# Altium PCB Wireframe.PcbDoc (part 1 of 2) (continued)
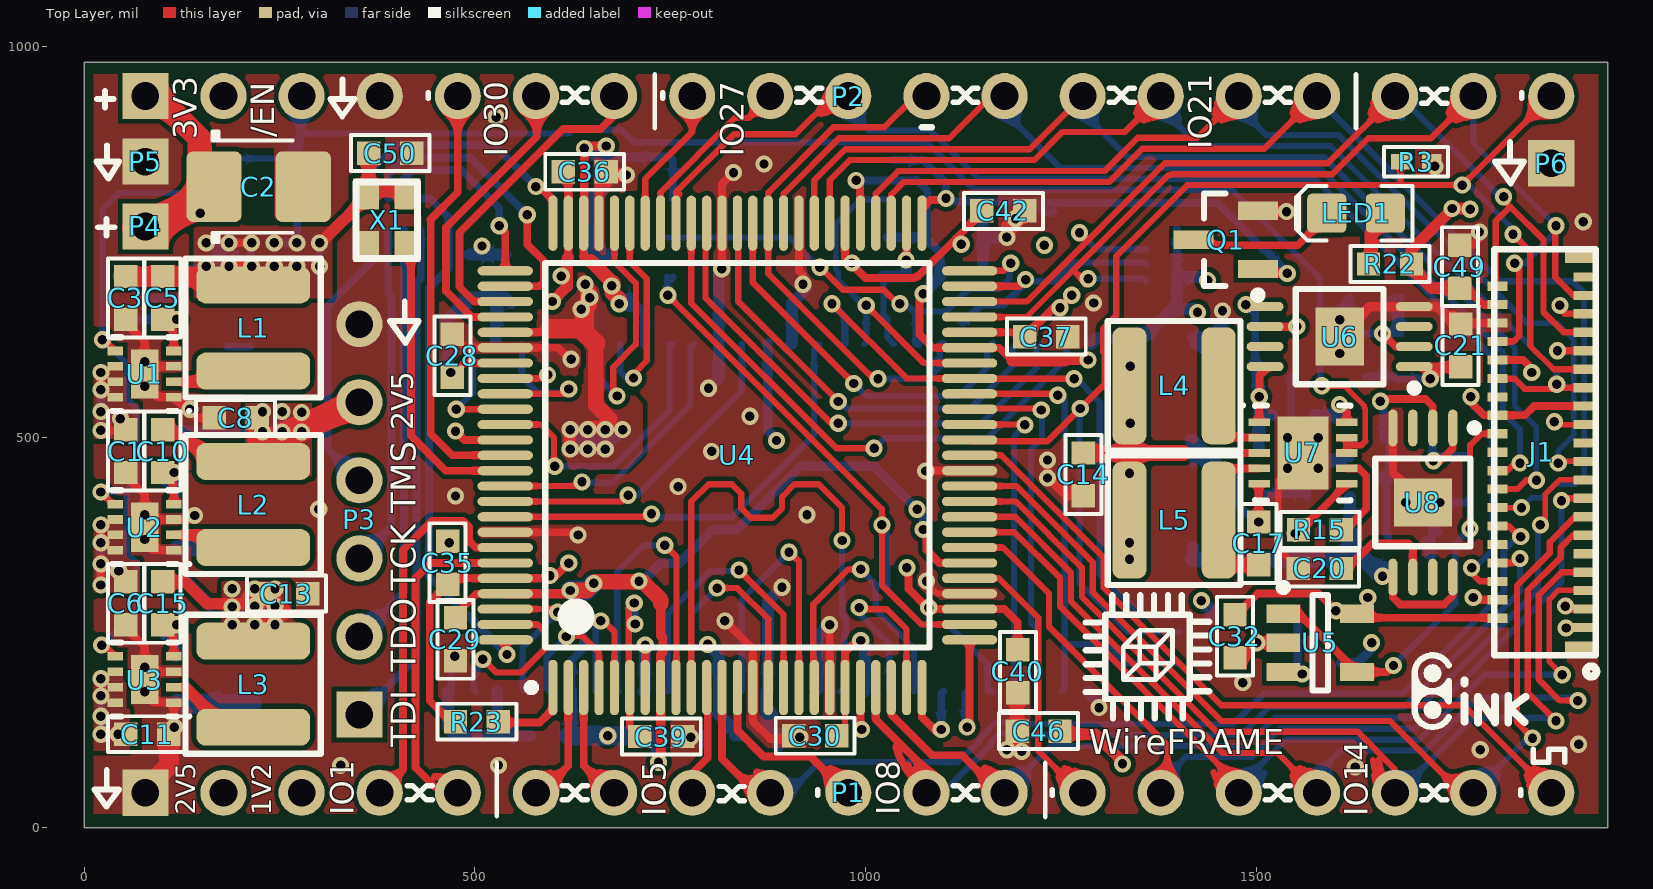
[diagram p0: Top Layer view]
## Footprints (in the part's own frame and the unit in brackets; to place one, negate y for a bottom-side part, rotate by r counter-clockwise, add the part's x,y. Pads: shape width x height; smd on the part's side, far side on the other; paste and mask are expansions set on the pad) (continued)
  silkscreen extent -7.67,-6.25 6.25,6.82, body extent -7,-7 7,7, height 1.2

## Part data
C1 C3 C5 C6 C8 C9 C10 C11 C13 C14 C15 C16 C17 C18 C19 C20 C21 C22 C23 C24 C25 C26 C27 C28 C29 C30 C31 C32 C33 C34 C35 C36 C37 C38 C39 C40 C41 C42 C43 C44 C45 C46 C47 C48 C49 C50: library part 0603C-10UF-6V3-X5R-MUR, "CAPACITOR 0603 CERAMIC"
C2 C4 C7 C12: library part CAPT_47u_1210_6V3, "Capacitor SMD Tantalum 47uF 20% 6.3V 1210"
D1: library part MBRS140, "DIODE"
L1 L2 L3 L4 L5: library part inductor_smd
LED1: library part LED_SMD_Blue_0805_100mcd, "LED 0805 SMD Blue 100mcd 470nm"
P1 P2: "Header, 19-Pin"
P3: "Header, 6-Pin"
Q1: library part BC847, "NPN General-purpose Transistor"
R1 R2 R4 R5 R7 R8 R10 R11 R12 R13 R14 R15 R16 R17 R18 R19 R20 R21 R22 R23 R24 R25: library part 0603R-2K2, "GENERIC RESISTOR 0603"
R3 R26: library part 0402R-100R, "RESISTOR 0402 GENERIC"
RA1 RA2 RA3: library part RES_ARRAY_0402_5%, "Resistor array 4-pack 5% 0402 SMD"
U1 U2 U3: library part TPS62067DSGR, "Buck Step Down Regulator with 2.9 to 6 V Input and 0.8 to 6 V Output, -40 to 85 degC, 8-Pin WSON (DSG), Green (RoHS & no Sb/Br)"
U4: "Spartan-3E 1.2V FPGA, 66 User I/Os, 100-Pin VQFP, Standard Performance, Commercial Grade"
U5: "MicroPower Single-Supply Operational Amplifier MicroAmplifier(TM) Series, 2.2 to 36 V, -40 to 85 degC, 5-pin SOT23 (DBV5), Green (RoHS & no Sb/Br)"
U6: "Single Output High PSRR LDO, 150 mA, Adjustable 1.2 to 33 V Output, 3 to 36 V Input, with Ultra-Low Noise, 8-pin MSOP (DGN), -40 to 125 degC, Green (RoHS & no Sb/Br)"
U7: "Dual Micropower DC/DC Converters with Schottky Diodes, 2.4 to 15 V Vin, 10-pin SON (DD-10), -40 to 85 degC"
U8: "Single Output High PSRR LDO, 200 mA, Adjustable -1.18 to -33 V Output, -3 to -36 V Input, with Ultra-Low Noise, 8-pin MSOP (DGN), -40 to 125 degC, Green (RoHS & no Sb/Br)"
U9: "16 Mbit SPI Serial Flash, 2.7 to 3.6 V, 50 MHz, 0 to 70 degC, 8-pin SOIC (S2A8), Tube"
U11: "512Mb Synchronous High Data Rate DRAM, 8Mb x 16Bit x 4 Banks, 54-Pin TSOP"
X1: library part Oscillator_2520, "Active Oscillator_2520"

## Via types
v1: diameter 22, hole 12, Top Layer to Bottom Layer, tented both sides, 246 vias
v2: diameter 22, hole 12, Top Layer to Bottom Layer, 14 vias

## Nets (pads, with @x,y where several pads share a name; then routed paths per layer and width w, separated by ;. In a path a pad name is that pad's centre, name@x,y a point inside that pad or via, vN(x,y) a via of type N, cw(c..) or ccw(c..) an arc to the next point about the centre after c; other vN are vias at no path point)
1.2V: C12.1 C13.2 C15.2 C39.2 C40.2 C41.2 C42.2 L3.2 P1.3 R7.2 U4.6 U4.28 U4.56 U4.80 | length 3185.4
  Top Layer w8: U4.6@697,180.96 v1@697,281
  Top Layer w10: U4.80@538.76,634.48 594,634.48 ; U4.6@697,180.96 U4.6@698.2,179.76 698.2,129.8 C39.2@711,117 ; v1@697,281 v1(704,288) ; U4.56@973.8,774.24 973.8,730.2 v1@982,722 ; v1(982.58,723.23) 982.58,722.58 v1@982,722 ; v1@1054,332 1055,331 1055,306 v1@1080,281 ; v1@1079.5,280.5 1079.85,280.15 U4.28@1133.24,280.15 1177.85,280.15 1195,263 C40.2@1195,228 ; v1(1122.5,747.29) 1122.5,747.5 v1@1115.5,754.5 ; C42.2@1137.79,775.63 ccw(c1124.34,783.39) C42.2@1139.34,787.41 ; C42.2@1149,790 1149,788 v1@1115.5,754.5 ; v1@982,722 1000,704 1062.89,704 1064.89,706 1067,706 v1@1115.5,754.5
  Top Layer w15: C15.2@100,315 129,315 157,287 C13.2@218,287 ; v1@218,265 221,268 C13.2@221,299 ; C13.2@218.08,285.5 ccw(c219.03,303.15) C13.2@230.84,290 ; C13.2@231,300 244,300 v1(244,284) 244,267.12 v1@244,265 ; L3.2@245.11,261.82 ccw(c275.35,269.92) L3.2@265.56,240.18 ; v1@621,485 621,507 v1@623,509 ; v1@643,510 647,514 v1@663,514 ; L3.2@204.84,250.83 cw(c220.79,238.56) L3.2@218.19,258.51 ; L3.2@204.84,250.83 cw(c220.79,238.56) L3.2@218.19,258.51 ; L3.2@204.84,250.83 cw(c220.79,238.56) L3.2@218.19,258.51 ; 207.78,294.96 ccw(c198.37,311.26) C13.2@216.55,306.39 ; 207.78,294.96 ccw(c198.37,311.26) C13.2@216.55,306.39 ; 207.78,294.96 ccw(c198.37,311.26) C13.2@216.55,306.39
  Top Layer w20: 654.5,620.5 654.5,541.61 672.55,523.55
  Top Layer w22: L3.2@216,239.12 244,267.12 254,277.12 ; v1@640,664 645.46,669.46 v1@645.46,685.23
  Top Layer w25: 596.52,639 636,639 ; v1@640,664 640,643 636,639 ; 654.5,620.5 636,639
  power w15: v1@189,287 v1@190,287 ; v1@190,266 v1@190,286 ; v1@190,287 190,306 v1(218,306) 218,287 207,287 v1@190,287
  power w40: 207,287 275,219 275,47 P1.3@273,45
  GND w10: v1(704,288) 704,262 v1(705,261) ; v1(1053,333) 1053,308 1079,282 v1(1081,282)
  GND w15: v1@188,307 v1(189,306) ; v1@621,510 621,498 ; v1(622,510) v1(644.33,510) 654,510 v1(666.67,510) v1(689,510) 674.5,495.5 ; v1(189,283) 190,284 v1(218,284) ; v1(189,283) v1(189,306) ; v1(189,283) v1(189,260) v1(218,260) ; v1(189,306) v1(218,306) ; v1(218,260) v1(218,284) ; v1(218,260) v1(244,260) v1(244,284) ; v1(218,284) v1(244,284) ; v1(218,284) v1(218,306) ; v1(218,306) v1(244,306) v1(244,284) ; 621,498 651,498 672,498 674.5,495.5 ; 621,498 621,486 v1(622,485) v1(644.33,485) v1(666.67,485) 666.67,487.67 674.5,495.5
  GND w20: v1(641,696) 647,690 v1(647,679)
  GND w22: v1(636,664) v1@640,660 ; v1@645.46,685.23 645.46,669.46 640,664 v1@640,660 ; 651,498 654,501 654,510 654,629 640,643 v1@640,660
  Bottom Layer w10: v1(704,288) 704,262 v1(705,261)
  Bottom Layer w15: R7.2@100,315 131,315 160.5,285.5 ; 162,287 C12.1@189,287 ; C12.1@218,265 C12.1@244,265 ; C12.1@218,287 v1(218,306) ; v1@243,306 244,305 C12.1@244,287 ; v1@643,510 v1@643,509 ; C12.1@203.77,282.6 cw(c210.56,273.96) C12.1@217.11,282.79 ; C12.1@203.77,282.6 cw(c210.56,273.96) C12.1@217.11,282.79 ; C12.1@203.77,282.6 cw(c210.56,273.96) C12.1@217.11,282.79 ; C12.1@230.55,287.06 cw(c234.39,278.02) C12.1@242.73,283.21 ; C12.1@230.55,287.06 cw(c234.39,278.02) C12.1@242.73,283.21 ; C12.1@230.55,287.06 cw(c234.39,278.02) C12.1@242.73,283.21 ; 622,499 v1(622,510) 623,509 v1@643,509 ; 622,499 v1(622,485) v1(644.33,485) ; 622,499 624,497 644.33,497 ; v1@643,509 644.33,507.67 644.33,497 ; v1@643,509 v1@665.67,509 ; v1(644.33,485) 644.33,497 ; v1(644.33,485) v1(666.67,485) v1@666.67,487.67 ; 644.33,497 666.67,497 ; v1@665.67,509 666.67,508 666.67,497 ; v1@665.67,509 v1(666.67,510) v1(689,510) v1@666.67,487.67 ; v1@666.67,487.67 666.67,497
2.5V: C7.1 C8.2 C10.2 C35.2 C36.2 C37.2 C38.2 L2.2 P1.2 P3.5 R4.2 R23.2 R24.2 U4.21 U4.46 U4.74 U4.96 | length 2430.9
  Top Layer w10: C10.2@100,510 114,510 154.88,469.12 L2.2@216,469.12 ; C10.2@102.46,500.31 cw(c113.32,457.46) 137.44,494.5 ; 138.96,495.2 cw(c127.64,452.96) L2.2@168.06,469.64 ; L2.2@144.94,483.59 ccw(c149.21,499.55) L2.2@157.48,485.25 ; C8.2@221,525 v1(228,533) ; v1(228,507) v1(253,507) 266.17,507 v1(278,507) ; C35.2@459.52,319.52 U4.96@538.76,319.52 592.52,319.52 v1(596,323) 604,323 v1(620,339) ; C35.2@465,312 442,289 442,163 469,136 R23.2@475,136 ; C36.2@607,845 608,845 C36.2@613,840 ; 619.46,730.54 U4.74@619.46,774.24 C36.2@619.46,837.46 ; U4.21@993.48,179.76 993.48,132.52 v1@995,131 ; U4.46@1133.24,634.48 1189.52,634.48 C37.2@1199,625
  Top Layer w11: C37.2@1198,623 1242,667 1249,667 v1(1264,682)
  Top Layer w14: v1(599,674) 618,693
  Top Layer w15: 618,693 618,729.07 619.46,730.54
  Top Layer w25: L2.2@221,474.12 C8.2@221,525
  Top Layer w35: 234.26,492.87 235.07,493.23 255.16,502.12 266.17,507 276.06,511.38 285.32,515.48 P3.5@352,545
  power w10: v1(253,507) v1(228,507) v1(228,533) v1(253,533) ; v1(253,507) v1(253,533) ; v1(253,507) v1(278,507) 278,523.04 v1(278,532) 278,533 v1(253,533)
  power w30: P1.2@173,45 179,51 179,147.37 153,173.37 153,355 228,430 v1(228,507)
  power w35: 261,518 273.62,521.75 278,523.04 280.44,523.77 P3.5@352,545
  GND w10: v1@228,523 230,521 ; v1@277,533 v1(278,532) v1@278,528 ; v1(278,507) 278,521 ; v1(596,323) 604,323 v1(620,339) ; v1(599,674) 611,686 610.46,686.54 v1(610.46,706.5)
  GND w11: v1(1249,666) 1249,669 1263,683 v1(1264,682)
  GND w15: 230,521 271,521 v1@278,528 ; v1@277,533 v1(253,533) v1(228,533) 228,523 v1(228,507) v1(253,507) v1(278,507)
  Bottom Layer w10: R4.2@100,510 C7.1@203.09,510 ; v1(278,507) v1(278,532)
  Bottom Layer w35: v1(253,507) v1@261.7,510.34
  other v1: 995,126 1229,746
3.3V: C3.2 C4.1 C5.2 C14.2 C26.2 C27.2 C28.2 C29.2 C30.2 C31.2 C33.2 C34.2 C43.2 C44.2 C45.2 C46.2 C47.2 C48.2 C49.2 C50.2 J1.4 J1.30 J1.35 J1.36 L1.2 L4.1 L5.1 P2.2 R1.2 R22.2 R25.2 RA2.1 RA3.1 RA3.2 RA3.3 RA3.4 U4.8 U4.20 U4.31 U4.45 U4.55 U4.73 U4.82 U4.97 U7.3 U9.3 U9.7 U9.8 U11.1 U11.3 U11.9 U11.14 U11.27 U11.37 U11.43 U11.49 X1.1 X1.4 | length 7822.1
  Top Layer w8: C30.2@973.8,128.8 U4.20@973.8,179.76 ; 1894.97,658.16 J1.35@1922.07,658.16
  Top Layer w10: v1@184,721 v1@212,721 ; v1@184,749 v1(185,749) v1@212,749 ; C28.2@477.5,586.5 486.11,595.11 U4.82@538.76,595.11 ; C29.2@479.17,274 479.17,277.17 501.83,299.83 U4.97@538.76,299.83 ; v1@617.83,299.83 v1(622,304) ; U4.20@973.8,179.76 973.8,224.8 989,240 v1(994,240) ; v1(988,829) 992,829 993,828 993,774.72 U4.55@993.48,774.24 ; v1(1074,382) 1078,378 1078,356 1094.8,339.2 U4.31@1133.24,339.2 ; v1(1074,684) 1069,679 1069,632 1086.2,614.8 U4.45@1133.24,614.8 1171.2,614.8 1188,598 ; v1@1283,598 v1@1284,597 ; 1407,480 U7.3@1503.9,480 ; C49.2@1761,691 1770,691 1791,670 J1.36@1810.86,670 ; v1(1778,295) 1780.98,292.02 J1.4@1810.88,292.02 ; J1.30@1808.88,599.11 1842,599.11 1857,584.11 1855.89,583 v1(1853,583)
  Top Layer w11: 639.15,731.85 U4.73@639.15,774.24 ; U4.73@640,775.09 v1(640,870) 643,873 v1(668,873) ; 740.5,224.68 740.5,243.32
  Top Layer w12: U4.97@538.76,299.83 v1@617.83,299.83 ; 639.15,731.85 645,726 ; v1(735,84) 738,87 738,179.33 U4.8@737.57,179.76 737.57,221.76 740.5,224.68 ; 738,287 738,245.82 740.5,243.32
  Top Layer w14: 1255.35,598 1256.85,599.5 v1@1281.5,599.5
  Top Layer w15: v1(301,749) 302.7,749 X1.1@362.43,808.73 ; C50.2@364,864 364,817.04 362.43,815.46 X1.4@415.57,815.46 ; 1188,598 1255.35,598 ; C46.2@1249,124 1253,120 1294,120 1329,85 v1(1329,82) ; v1@1281.5,599.5 v1@1283,598 ; R22.2@1699,717 1725,691 C49.2@1761,691 ; R22.2@1699,722 1699,740 1752,793 1773,793 v1(1774,792)
  Top Layer w18: 647,726 647.99,726 650.18,723.81 v1@676,698
  Top Layer w20: v1(622,304) 643,304 v1(652,313) 654,315 715.18,315 738,292.18 738,287 ; v1@676,698 676,685 684.6,676.4 v1(684.6,671) ; C14.2@1279,480 1338.23,480 ; v1(1338,454) 1338,443.23 1338.23,443 1338.23,480 ; L4.1@1339,530 L4.1@1338.23,529.23 ; L4.1@1339,584 1337.91,582.91 L4.1@1337.91,566 1338.23,565.69 L4.1@1338.23,529.23 ; 1407,480 1338.23,480 ; 1338.23,480 L4.1@1338.23,529.23
  Top Layer w25: C3.2@49,706 C5.2@100,706 L1.2@205.12,706
  power w10: v1@184,749 v1(156,749) 156,721 v1@185,721 ; v1@240,721 v1@214,721 ; v1@271,719 v1@271,721 ; v1(272,719) v1(301,719) v1(301,749) v1(272,749) v1@271,749 ; v1@272,721 v1@271,721 ; v1(1066,408) 1066,390 v1(1074,382) ; v1@185,721 v1@214,721 ; v1@185,721 v1(185,749) v1(214,749) ; v1@214,721 v1(214,749) ; v1(214,749) v1(243,749) ; v1(243,749) v1@271,749 ; v1(243,749) 243,721 v1@271,721 ; v1@271,721 v1@271,749
  power w15: v1(622,304) 643,304 v1(652,313)
  power w40: P2.2@166,937 185,918 v1(185,749) ; v1@205.25,742.9 ccw(c213.67,747.76) 211.15,738.37
  GND w10: v1(185,719) v1(185,749) ; v1(185,719) v1(214,719) ; v1(185,719) v1(156,719) v1(156,749) v1(185,749) ; v1(185,749) v1(214,749) ; v1(214,719) v1(214,749) ; v1(214,719) v1(243,719) ; v1(214,749) v1(243,749) ; v1(243,719) v1(243,749) ; v1(243,719) v1(272,719) ; v1(243,749) v1(272,749) ; v1(272,719) v1(272,749) ; v1(272,719) v1(301,719) v1(301,749) v1(272,749)
  GND w11: v1(640,870) 643,873 v1(668,873)
  GND w12: v1(622,304) 643,304 v1(652,313)
  GND w20: v1(675,694) 684.6,684.4 v1(684.6,671) ; v1(1338,344) v1@1339,345
  GND w25: v1(1066,408) 1074,400 v1(1074,382) 1100.68,382 1138.68,344 v1(1338,344) v1(1338,365)
  Bottom Layer w8: v1@1889,662.09 v1(1889,669)
  Bottom Layer w10: R1.2@100,706 C4.1@187.91,706 ; R1.2@105.14,714.58 ccw(c117.54,735.3) 123.42,711.88 ; R1.2@108.58,700.86 cw(c129.29,688.46) 123.41,711.87 ; 137.63,712.85 cw(c149.05,693.07) v1@154.96,715.14 ; 144.5,713.27 cw(c151.09,706.45) v1@154.54,715.28 ; v1@151.45,715.09 ccw(c161.34,723.6) C4.1@168.6,712.75 ; v1@156,721 C4.1@184,721 ; v1@159.36,711.99 ccw(c152.5,729.95) C4.1@171.72,730 ; 166.63,712.85 cw(c178.05,693.07) C4.1@183.96,715.14 ; C4.1@167.87,739.94 ccw(c161.44,761.87) C4.1@181.49,750.92 ; C4.1@172.61,711.59 cw(c181.47,703.15) C4.1@184.13,715.1 ; C4.1@176.27,731.7 cw(c198.31,725.68) C4.1@186.98,745.53 ; C4.1@212,730.09 C4.1@212,749 ; C4.1@240,749 v1(243,749) v1@271,749 ; v1(272,749) 272,776 277,781 277,801 R25.2@276,802 ; v1(301,719) v1(301,749) ; U11.49@623.03,174.56 623.03,214.03 638,229 638,299 ; U9.7@753.25,805 U9.8@753.25,855 ; v1(988,829) 1064,829 1065,830 1079,816 1079,762 1073,756 ; RA3.4@1398.68,705.49 RA3.1@1398.68,766.51 ; 134.79,714.89 cw(c145.12,691.24) v1@154.54,715.28 ; 134.79,714.89 cw(c145.12,691.24) v1@154.54,715.28 ; 134.79,714.89 cw(c145.12,691.24) v1@154.54,715.28 ; 139.08,711.07 ccw(c133.77,732.35) v1@152.57,721.06 ; 139.08,711.07 ccw(c133.77,732.35) v1@152.57,721.06 ; 139.08,711.07 ccw(c133.77,732.35) v1@152.57,721.06 ; v1@154.34,713.23 ccw(c159.24,730.24) C4.1@169.62,715.91 ; v1@154.34,713.23 ccw(c159.24,730.24) C4.1@169.62,715.91 ; v1@154.34,713.23 ccw(c159.24,730.24) C4.1@169.62,715.91 ; v1@164.04,714.35 cw(c174.91,691.14) C4.1@183.64,715.24 ; v1@164.04,714.35 cw(c174.91,691.14) C4.1@183.64,715.24 ; v1@164.04,714.35 cw(c174.91,691.14) C4.1@183.64,715.24 ; C4.1@167.54,737.24 cw(c185.69,719.93) C4.1@185.09,745 ; C4.1@167.54,737.24 cw(c185.69,719.93) C4.1@185.09,745 ; C4.1@167.54,737.24 cw(c185.69,719.93) C4.1@185.09,745 ; C4.1@172.59,728.99 ccw(c152.61,749.16) C4.1@181,749.02 ; C4.1@172.59,728.99 ccw(c152.61,749.16) C4.1@181,749.02 ; C4.1@172.59,728.99 ccw(c152.61,749.16) C4.1@181,749.02 ; C4.1@181.65,714.02 ccw(c189.63,725.87) C4.1@199.01,715.1 ; C4.1@181.65,714.02 ccw(c189.63,725.87) C4.1@199.01,715.1 ; C4.1@181.65,714.02 ccw(c189.63,725.87) C4.1@199.01,715.1 ; C4.1@185.04,723 ccw(c185.24,745.24) C4.1@200.82,729.37 ; C4.1@185.04,723 ccw(c185.24,745.24) C4.1@200.82,729.37 ; C4.1@185.04,723 ccw(c185.24,745.24) C4.1@200.82,729.37 ; C4.1@187.23,722.32 ccw(c197.16,737.06) C4.1@208.84,723.66 ; C4.1@187.23,722.32 ccw(c197.16,737.06) C4.1@208.84,723.66 ; C4.1@187.23,722.32 ccw(c197.16,737.06) C4.1@208.84,723.66 ; C4.1@188.92,719.8 cw(c206.75,723.42) C4.1@193.08,735.43 ; C4.1@188.92,719.8 cw(c206.75,723.42) C4.1@193.08,735.43 ; C4.1@188.92,719.8 cw(c206.75,723.42) C4.1@193.08,735.43 ; C4.1@194.32,710.95 cw(c207.49,695.89) C4.1@212.92,715.15 ; C4.1@194.32,710.95 cw(c207.49,695.89) C4.1@212.92,715.15 ; C4.1@194.32,710.95 cw(c207.49,695.89) C4.1@212.92,715.15
  Bottom Layer w11: C33.2@650,861 659,870 662,873 v1(668,873)
  Bottom Layer w12: C48.2@620,118 C48.2@623.03,121.03 ; 638,299 643,304 ; C33.2@650,861 652,859 U9.8@749.25,859 ; C31.2@679.55,677.27 ccw(c697.88,690.21) C31.2@694.07,668.1 ; C31.2@679.67,677.11 ccw(c702.12,695.27) 699.09,666.55 ; C31.2@686.93,672.89 ccw(c700.26,683.66) 698.46,666.62 ; C31.2@696,679 717.52,657.48 U11.9@717.52,619.44 ; v1(710,316) 710,311 738,339 762,339 804.85,381.85 835.48,381.85 916.63,463 1011,463 v1(1066,408) 1074,400 v1(1074,382) ; U11.14@873,619.44 U11.14@875,621.44 ; U11.14@875,619.44 875,509 886,498 v1(886,496) ; U9.3@1027.75,756 1073,756 1076,756 1095,737 C44.2@1095,722 ; C31.2@683.34,681.7 cw(c680.95,668.47) C31.2@692,676.13 ; C31.2@683.34,681.7 cw(c680.95,668.47) C31.2@692,676.13 ; C31.2@683.34,681.7 cw(c680.95,668.47) C31.2@692,676.13 ; C31.2@687.05,672.73 ccw(c696.46,679.37) C31.2@694.5,668.02 ; C31.2@687.05,672.73 ccw(c696.46,679.37) C31.2@694.5,668.02 ; C31.2@687.05,672.73 ccw(c696.46,679.37) C31.2@694.5,668.02
  Bottom Layer w15: U11.1@463.55,619.44 463.55,649.55 C34.2@493,679 C26.2@539,679 ; U11.1@465.55,619.44 465.55,586.45 v1(469,583) ; U11.3@526.54,619.44 526.54,666.54 C26.2@539,679 ; C26.2@546,672 C26.2@539,679 ; C48.2@623.03,121.03 U11.49@623.03,174.56 ; v1(640,870) C33.2@659,870 ; v1(735,84) C47.2@735,118 ; v1(798,235) 812,221 812,145.09 833,124.09 C27.2@833,118 ; C27.2@836.5,121.5 839,119 C27.2@839,118 ; v1(994,240) 998.98,235.02 U11.37@998.98,174.56 ; v1(1074,684) 1095,705 C44.2@1095,722 ; U11.27@1288.45,619.44 1296.01,627 C43.2@1355,627 1392.41,664.41 ; v1(1425,660) 1420.59,664.41 1392.41,664.41 ; v1(1430,291) 1441.68,279.31 RA2.1@1441.68,271.51 ; v1(1438,701) 1433.51,705.49 1398.68,705.49 1398.68,670.69 1392.41,664.41
  Bottom Layer w20: v1(1338,344) v1(1338,365) 1338,442.77 1338.23,443 1338,443.23 v1(1338,454)
  Bottom Layer w25: C48.2@620,118 v1(670,118) C47.2@735,118 ; v1(622,304) 643,304 v1(652,313)
  other v1: 1339,518 1339,591 1285,599 1751,793
+15V: C9.1 C21.2 C32.2 J1.2 R2.2 R19.2 R20.2 U5.5 U6.1 | length 944.1
  Top Layer w10: C32.2@1464,273 1475,273 1502,300 1580.16,300 v1(1602.16,278) 1625.8,278 U5.5@1629.4,274.4 ; v1(1643,295) 1643,288 U5.5@1629.4,274.4 ; v1(1723,575) 1723,580 1712.39,590.61 U6.1@1702.47,590.61 1761.47,590.61 C21.2@1761.93,590.16 ; J1.2@1810.28,269 1634.8,269 U5.5@1629.4,274.4
  Top Layer w15: v1(1723,575) 1738,590 1761.77,590 C21.2@1761.93,590.16
  power w10: v1(1643,295) 1626,312 1626,481 1720,575 v1(1723,575)
  Bottom Layer w10: R2.2@1640.54,578.28 1677,578.28 1680.28,575 v1(1723,575)
+22V: C18.2 C22.2 J1.23 R11.2 U6.5 U6.8 U7.1 | length 767
  Top Layer w7: v1@1885.57,516.43 J1.23@1922.07,516.43
  Top Layer w8: v1(1882,520) v1@1885.57,516.43
  Top Layer w10: v1(1487,670) U6.5@1504.91,670 ; U7.1@1503.9,519.37 1503.9,551.58 1504.32,552 1504.32,579.4 U6.8@1511.53,586.61
  power w10: v1(1504,552) 1541,589 1594.23,589 1600.23,583 1648,583 1664,599 1797,599 v1@1879,517
  Bottom Layer w10: v1(1487,670) 1498.93,658.07 1498.93,564.16
  Bottom Layer w15: 1500.8,566.03 v1@1504.93,561.9 ; C22.2@1503.32,482.69 1503.32,528.69 R11.2@1520.32,528.69 ; R11.2@1504.32,534.69 v1@1504.32,558.77
-15V: C19.1 C25.2 C32.1 J1.1 R16.2 R21.1 U5.2 U8.1 | length 909.8
  Top Layer w10: v1(1727,470) 1736,470 1751.93,485.93 U8.1@1751.93,512.1 ; v1(1897,256) 1897.59,256.59 J1.1@1922.07,256.59
  Top Layer w15: C32.1@1473,218 1482,218 v1(1501,237) U5.2@1534.91,237
  power w8: 1713,237 1713,456
  power w10: v1@1507,237 v1(1648,237) 1713,237 1840,237 1859,256 v1@1899,256 ; 1713,456 v1(1727,470)
  Bottom Layer w10: v1@1725.93,475 R16.2@1725.93,498 ; v1@1727,476 C25.2@1767,476
  Bottom Layer w12: R21.1@1608.16,211 1630,211 1648,229 v1(1648,237)
-20V: C23.2 C24.2 D1.A J1.24 J1.25 R13.2 U8.5 U8.8 | length 948.2
  Top Layer w10: v1(1661.93,322.16) 1674.16,322.16 U8.5@1675.16,321.16 1675.16,295.39 1684.39,286.16 1740.93,286.16 1751.93,297.16 U8.8@1751.93,321.16 ; v1(1775,552) 1775,545 1791.76,528.24 J1.24@1810.88,528.24 ; J1.24@1808.88,528.24 1844,528.24 1855.81,540.05 J1.25@1922.07,540.05
  power w10: v1@1667.93,322.16 1667.93,469.93 1750,552 v1(1775,552)
  Bottom Layer w15: D1.A@1419.32,343.69 D1.A@1419.32,360.13 ; R13.2@1620.32,378.69 C23.2@1620.32,423.69
  Bottom Layer w20: D1.A@1419.32,343.69 1602.32,343.69 1620.32,361.69 ; R13.2@1620.32,378.69 1620.32,361.69 ; C24.2@1664,332 1650,332 1620.32,361.69
DDR_A0: U4.62 U11.23 | length 484.5
  Top Layer w8: U4.62@855.68,762 855.68,698.31 v1(985,569)
  Top Layer w10: U4.62@855.68,762 U4.62@855.68,774.24
  Bottom Layer w8: v1(985,569) 1001,553 1120,553 1156,589 U11.23@1156,612.98
  Bottom Layer w10: U11.23@1156,612.98 U11.23@1162.46,619.44
DDR_A1: U4.63 U11.24 | length 561.7
  Top Layer w8: U4.63@836,774.24 837,773.24 837,674 v1(965,546)
  Bottom Layer w8: v1(965,546) 966.7,546 975.7,537 1134,537 1188,591 1188,613.48 U11.24@1193.96,619.44
DDR_A2: U4.65 U11.25 | length 649.2
  Top Layer w8: U4.65@796.63,774.24 795,772.61 795,678.8 955.8,518 v1(965,518)
  Bottom Layer w8: v1(965,518) 1148,518 1219,589 1219,612.98 U11.25@1225.46,619.44
DDR_A3: U4.66 U11.26 | length 726.1
  Top Layer w8: U4.66@776.94,774.24 776.94,671.85 962.8,486 v1(1011,486)
  Bottom Layer w8: v1(1011,486) 1024,499 1156,499 1256.95,599.95 U11.26@1256.95,619.44
DDR_A4: RA2.5 U4.42 U11.29 | length 672.6
  Top Layer w8: U4.42@1133.24,555.74 1133.5,556 1233.7,556 1233.96,555.74 1246.74,555.74 1246,555 v1(1246,554)
  Bottom Layer w8: v1(1246,554) 1246,557 1243,560 1255,548 1255,178.61 U11.29@1250.95,174.56 ; 1255,235 1310,235 1334.51,210.49 RA2.5@1402.32,210.49
DDR_A5: U4.41 U11.30 | length 464
  Top Layer w8: U4.41@1133.24,536.06 1134.19,537 1223,537 v1@1224,536
  Bottom Layer w8: U11.30@1219.46,174.56 1221,176.1 1221,253 1212,262 1212,485 1226,499 1226,534 v1@1224,536
  other v1: 1225,535
DDR_A6: U4.40 U11.31 | length 420.3
  Top Layer w8: U4.40@1133.24,516.37 1204.37,516.37 v1(1204,516)
  Bottom Layer w8: U11.31@1189.96,174.56 1189.96,500.96 1204,515 1205,515 v1(1204,516)
DDR_A8: U4.26 U11.33 | length 168.7
  Top Layer w10: v1(1130,129) 1130.49,129 1134,125.49 1133.24,126.24 U4.26@1133.24,240.78
  Bottom Layer w10: v1(1130,129) 1128,131 1128,171.59 U11.33@1130.97,174.56
DDR_A9: U4.25 U11.34 | length 121.9
  Top Layer w10: U4.25@1072.22,179.76 1072.22,141.78 1090,124 1096,124 v1@1098,126
  Bottom Layer w10: v1@1098,126 1097,127 1097,172.09 U11.34@1099.47,174.56
  other v1: 1097,126
DDR_A10: RA3.6 U4.49 U11.22 | length 346.7
  Top Layer w10: U4.49@1133.24,693.54 1196.54,693.54 v1(1205,702)
  Bottom Layer w8: v1@1201,702 1203,700 1242,700 1266,724 1356.47,724 RA3.6@1359.32,721.16
  Bottom Layer w10: U11.22@1124.97,646.97 1148,670 1177,670 v1@1205,698
DDR_A11: U4.18 U11.35 | length 371.1
  Top Layer w8: U4.18@934.43,179.76 933,181.18 933,286 978,331 v1(994,331)
  Bottom Layer w8: v1(994,331) 1013,312 1013,279 1062,230 U11.35@1062,174.58
DDR_A12: U4.24 U11.36 | length 270
  Top Layer w8: v1(992,282) 994,280 1027,280 1052.54,254.46 U4.24@1052.54,179.76
  Bottom Layer w8: v1(992,282) 992,274 1030.48,235.52 U11.36@1030.48,174.56
DDR_BA1: P2.11 U4.61 U11.21 | length 684.7
  Top Layer w8: v1(1016,575) 1010.13,575 875.37,709.76 U4.61@875.37,774.24 875.37,813.37 959,897 1024,897 1064,937 P2.11@1078,937
  Bottom Layer w8: v1(1016,575) 1080,575 1095,590 1095,619.91 U11.21@1099,619.91 ; 1088.1,592.81 cw(c1101.8,589.68) U11.21@1094.32,601.58
  Bottom Layer w10: U11.21@1099,619.91 U11.21@1099.47,619.44
DDR_C\A\S\: RA2.8 U4.43 U11.17 | length 798.4
  Top Layer w8: v1(957,671) 1052.57,575.43 U4.43@1133.24,575.43 1133.67,575 v1(1267,575)
  Bottom Layer w8: v1(1267,575) 1269.15,575 1269.57,575.43 1300,545 1300,325 1353.49,271.51 RA2.8@1402.32,271.51
  Bottom Layer w10: v1(957,671) 973.49,654.51 U11.17@973.49,619.44
DDR_CLK: U4.10 U11.38 | length 751.7
  Top Layer w8: U4.10@776,180.7 U4.10@776.94,179.76 777,179.81 777,418 799,440 829,440 841,428 841,409 853,397 881,397 893.2,409.2 893.2,424.2 909,440 940,440 970,410 v1(970,368) v1@971,369
  Bottom Layer w8: U11.38@967.49,174.56 973,180.07 973,248.7 975,250.7 975,268.7 970,273.7 v1(970,368)
DDR_D0: U4.85 U11.2 | length 154.9
  Top Layer w8: v1(476,536) 476.06,536.06 U4.85@538.76,536.06
  Bottom Layer w8: v1(476,536) 495.05,555.05 497.05,557.05 U11.2@497.05,619.44
DDR_D1: U4.84 U11.4 | length 196
  Top Layer w8: U4.84@538.76,555.74 613.74,555.74 v1(620,562)
  Bottom Layer w8: U11.4@560.04,619.44 560.04,577.96 581,557 615,557 v1(620,562)
DDR_D2: U4.83 U11.5 | length 102.1
  Top Layer w8: U4.83@538.76,575.43 591.43,575.43 v1@598,582
  Bottom Layer w8: U11.5@591.54,619.44 591.54,588.46 v1@598,582
  other v1: 593,580
DDR_D3: U4.71 U11.7 | length 324.5
  Top Layer w8: U4.71@678.52,774.24 678.52,724.68 706,697.2 706,619 677,590 677,558 v1(682,553)
  Bottom Layer w8: U11.7@654.53,619.44 654.53,580.47 v1(682,553)
DDR_D4: U4.70 U11.8 | length 270.1
  Top Layer w8: U4.70@698.2,774.24 698.2,724.8 720,703 720,598 703,581 v1(703,576)
  Bottom Layer w8: U11.8@686.02,619.44 686.02,583.98 694,576 v1(703,576)
DDR_D5: U4.86 U11.10 | length 373.3
  Top Layer w8: U4.86@538.76,516.37 584.63,516.37 601,500 601,464 v1(602,463)
  Bottom Layer w8: v1(602,463) 677,463 749.02,535.02 U11.10@749.02,615.44 ; U11.10@749.02,619.44 U11.10@749.02,615.44 ; U11.10@753,619.43 U11.10@749.02,615.44
DDR_D6: U4.90 U11.11 | length 360.5
  Top Layer w8: U4.90@538.76,437.63 631.63,437.63 v1(637,443)
  Bottom Layer w8: v1(637,443) 638,442 675.8,442 776,542.2 776,614.93 U11.11@780.51,619.44
DDR_D7: U4.91 U11.13 | length 421.3
  Top Layer w8: U4.91@538.76,417.94 687.94,417.94 v1(696,426)
  Bottom Layer w8: v1(696,426) 708,426 841.5,559.5 U11.13@841.5,619.44
DDR_D8: U4.17 U11.42 | length 382.6
  Top Layer w8: v1(902,353) 903,353 914.74,341.26 U4.17@914.74,179.76
  Bottom Layer w8: U11.42@841.5,174.56 841.5,261.5 841.5,292.5 v1(902,353)
DDR_D9: U4.15 U11.44 | length 316.1
  Top Layer w8: v1(810,307) 836,307 876,267 875.37,266.37 U4.15@875.37,179.76
  Bottom Layer w8: U11.44@776,177.07 777,176.07 777,274 v1(810,307)
DDR_D10: U4.16 U11.45 | length 387.5
  Top Layer w8: v1(838,330) 895.06,272.94 U4.16@895.06,179.76
  Bottom Layer w8: U11.45@747.02,174.56 747.02,274.02 802,329 837,329 v1(838,330)
DDR_D11: U4.9 U11.47 | length 418.1
  Top Layer w8: v1(743,362) 758,347 758,180.5 U4.9@757.26,179.76
  Bottom Layer w8: U11.47@684.02,174.56 682,176.58 682,328 716,362 v1(743,362)
DDR_D12: U4.5 U11.48 | length 188
  Top Layer w8: v1(661,265) 665,265 678.52,251.48 678.52,245.48 U4.5@678.52,179.76
  Bottom Layer w8: U11.48@654.53,174.56 654.53,258.53 v1(661,265)
DDR_D13: U4.4 U11.50 | length 179.4
  Top Layer w8: v1(617,245) 618,246 637,246 658.83,224.17 U4.4@658.83,179.76
  Bottom Layer w8: U11.50@595.54,174.56 592,178.09 592,219 618,245 v1(617,245)